# Altium PCB LimeSDR-X3_1v0.PcbDoc (part 19 of 25) (continued)
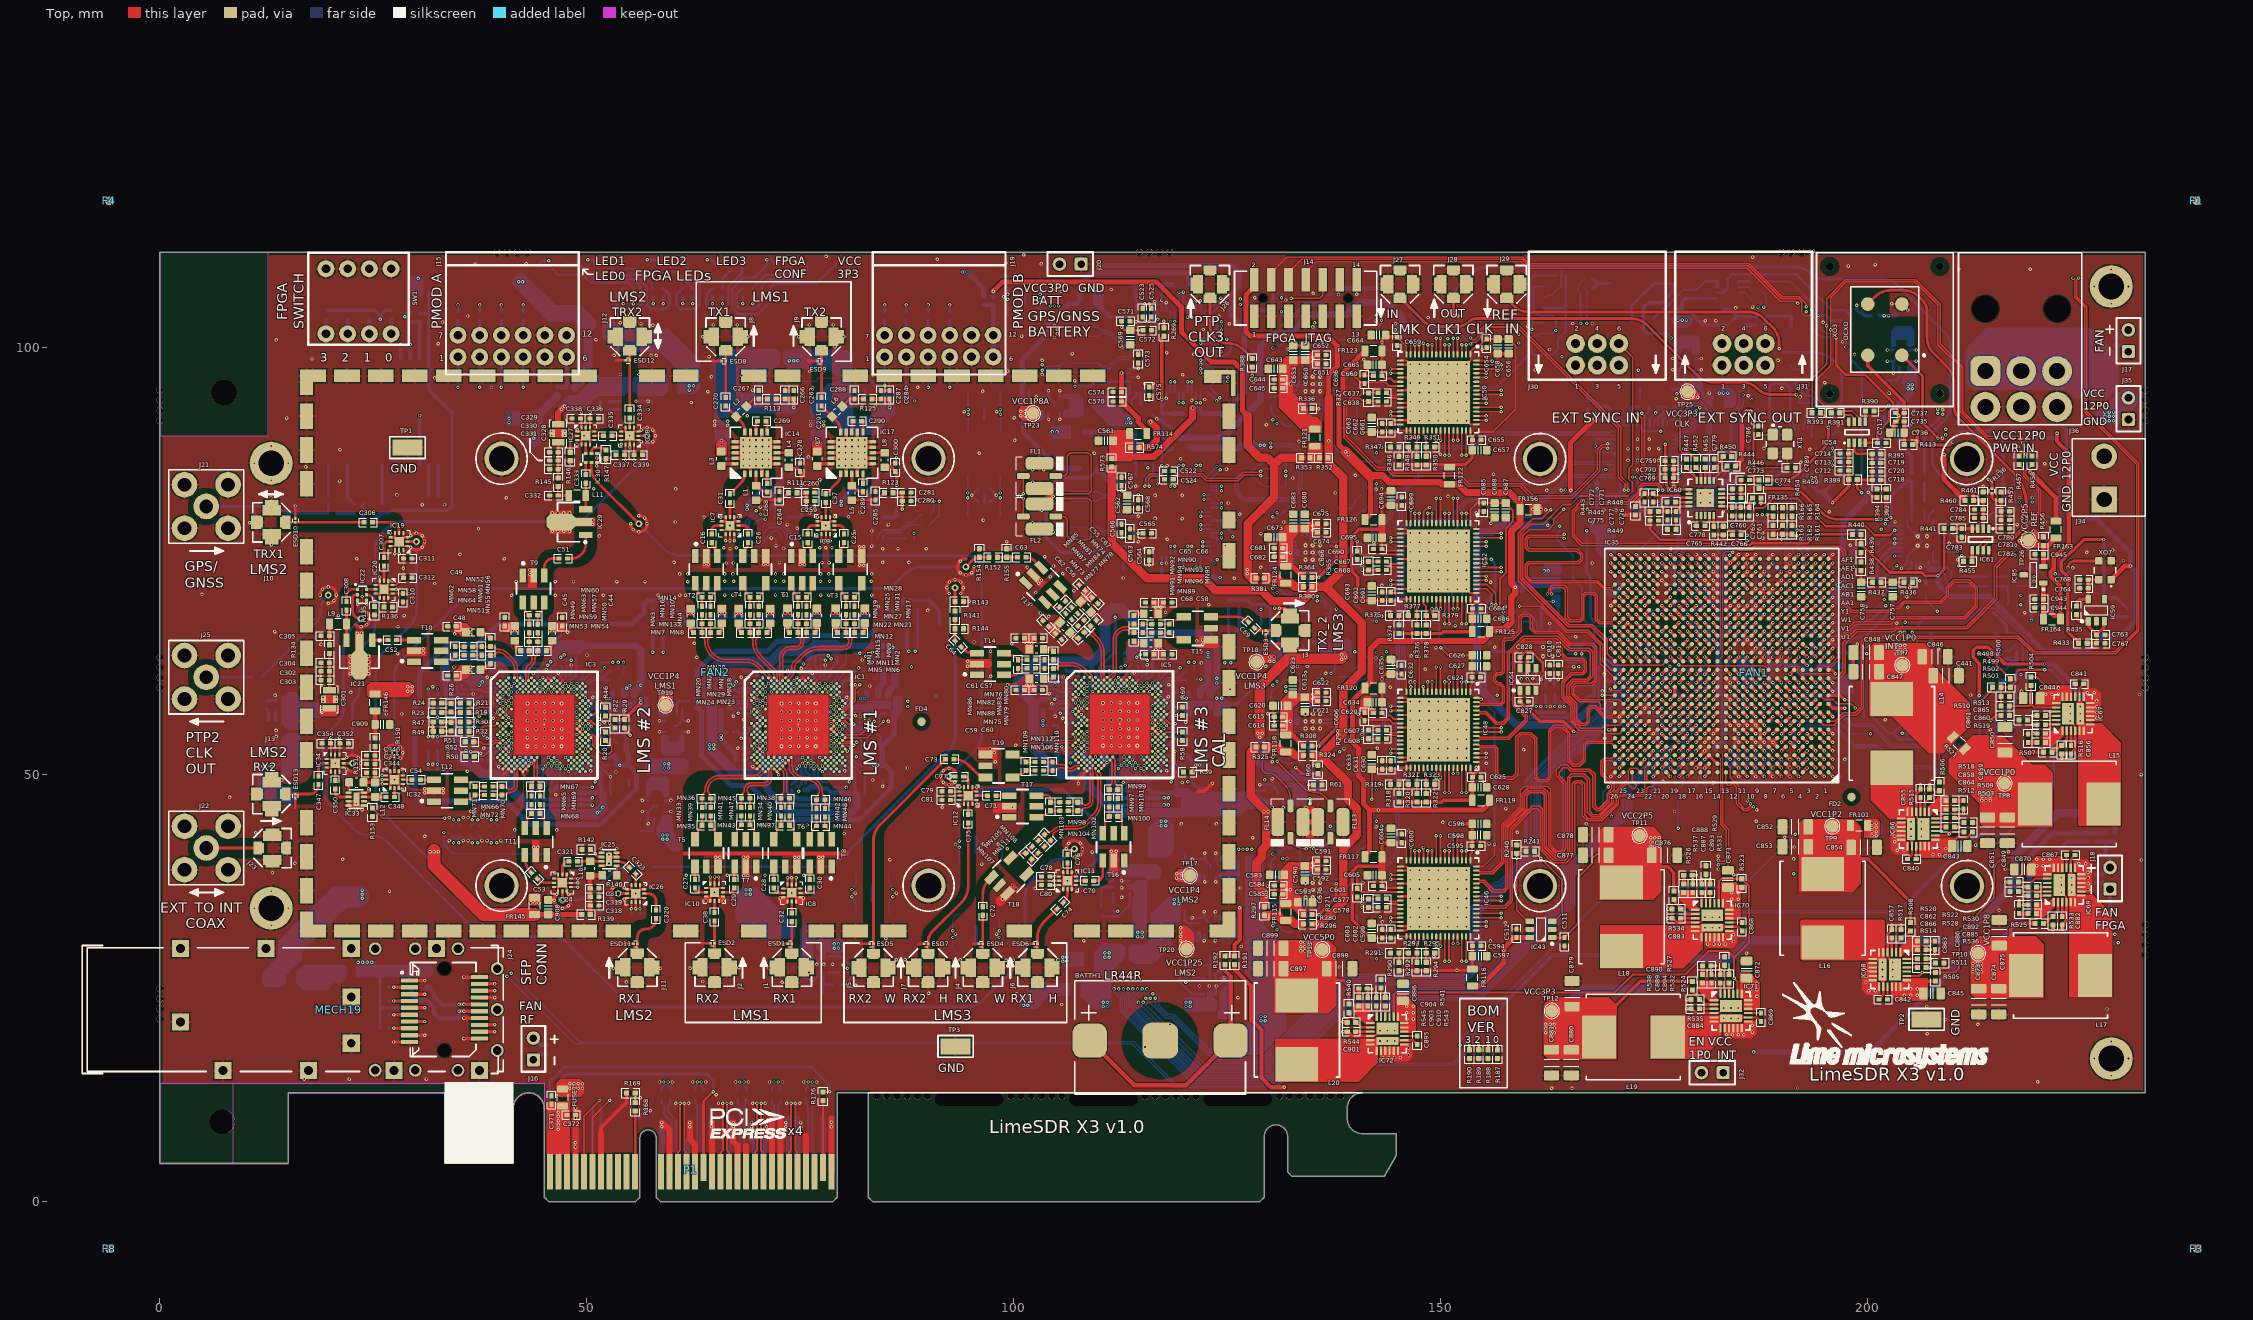
[diagram p0: Top view]
## Nets (pads, with @x,y where several pads share a name; then routed paths per layer and width w, separated by ;. In a path a pad name is that pad's centre, name@x,y a point inside that pad or via, vN(x,y) a via of type N, cw(c..) or ccw(c..) an arc to the next point about the centre after c; other vN are vias at no path point) (continued)
NetC858_1: C858.1 IC66.1 R518.2 | length 3.7
  Top w0.2: IC66.1@207.15,45.625 207.425,45.9 207.775,45.9 ; 208.293,47.325 208.293,46.418 207.775,45.9 ; C858.1@209.1,45.9 207.775,45.9
NetC859_1: C859.1 R518.1 | length 1
  Top w0.5: R518.1@210.15,46.975 C859.1@211.189,46.975
NetC860_1: C860.1 IC67.1 R519.2 | length 3.7
  Top w0.2: C860.1@220.825,54.85 222.15,54.85 ; 221.632,53.425 221.632,54.332 222.15,54.85 ; IC67.1@222.775,55.125 222.5,54.85 222.15,54.85
NetC861_1: C861.1 R519.1 | length 1
  Top w0.5: C861.1@218.736,53.775 R519.1@219.775,53.775
NetC862_1: C862.1 IC68.1 R520.2 | length 3.7
  Top w0.2: IC68.1@203.8,29.175 204.075,29.45 204.425,29.45 ; 204.943,30.875 204.943,29.968 204.425,29.45 ; C862.1@205.75,29.45 204.425,29.45
NetC863_1: C863.1 R520.1 | length 1
  Top w0.5: R520.1@206.8,30.525 C863.1@207.839,30.525
NetC864_1: C864.1 IC66.24 | length 1.7
  Top w0.309: IC66.24@207.55,44.875 C864.1@209.2,44.875
NetC865_1: C865.1 IC67.24 | length 1.7
  Top w0.309: C865.1@220.725,55.875 IC67.24@222.375,55.875
NetC866_1: C866.1 IC68.24 | length 1.7
  Top w0.309: IC68.24@204.2,28.425 C866.1@205.85,28.425
NetC867_1: C867.1 IC69.15 | length 1.5
  Top w0.25: IC69.15@223.25,39.075 C867.1@223.25,40.575
NetC867_2: C867.2 IC69.5 IC69.6 IC69.7 IC69.14 IC69.26 L17.1 | length 8
  Top w0.2: IC69.5@223.75,35.075 223.75,31.475 225.625,29.6
  Top w0.25: IC69.14@223.75,39.075 223.75,40.075 C867.2@224.25,40.575
  other v4: 223.85,36.225 223.85,37.075 223.85,37.925
NetC868_1: C868.1 IC70.15 | length 1.5
  Top w0.25: IC70.15@183.776,32.68 C868.1@185.276,32.679
NetC868_2: C868.2 IC70.5 IC70.6 IC70.7 IC70.14 IC70.26 L18.1 | length 8
  Top w0.2: 174.301,30.305 176.176,32.18 IC70.5@179.776,32.18
  Top w0.25: IC70.14@183.776,32.18 184.776,32.179 C868.2@185.276,31.679
  other v4: 180.926,32.079 181.776,32.079 182.626,32.079
NetC869_1: C869.1 IC71.15 | length 1.5
  Top w0.25: IC71.15@185.975,22.075 C869.1@187.475,22.075
NetC869_2: C869.2 IC71.5 IC71.6 IC71.7 IC71.14 IC71.26 L19.1 | length 8
  Top w0.2: L19.1@176.5,19.7 178.375,21.575 IC71.5@181.975,21.575
  Top w0.25: IC71.14@185.975,21.575 186.975,21.575 C869.2@187.475,21.075
  other v4: 183.125,21.475 183.975,21.475 184.825,21.475
NetC882_1: C882.1 IC69.3 | length 2.1
  Top w0.309: C882.1@222.75,33.375 IC69.3@222.75,35.475
NetC883_1: C883.1 IC70.3 | length 2.1
  Top w0.309: C883.1@178.076,33.179 IC70.3@180.176,33.179
NetC884_1: C884.1 IC71.3 | length 2.1
  Top w0.309: C884.1@180.275,22.575 IC71.3@182.375,22.575
NetC885_1: C885.1 IC69.1 R536.2 | length 3.7
  Top w0.2: C885.1@219.8,34.8 221.125,34.8 ; 220.607,33.375 220.607,34.282 221.125,34.8 ; IC69.1@221.75,35.075 221.475,34.8 221.125,34.8
NetC886_1: C886.1 R536.1 | length 1
  Top w0.5: C886.1@217.711,33.725 R536.1@218.75,33.725
NetC887_1: C887.1 IC70.1 R537.2 | length 3.7
  Top w0.2: 178.076,35.322 178.983,35.322 179.501,34.804 ; C887.1@179.501,36.13 179.501,34.804 ; IC70.1@179.776,34.179 179.501,34.454 179.501,34.804
NetC888_1: C888.1 R537.1 | length 1
  Top w0.5: R537.1@178.426,37.18 C888.1@178.426,38.219
NetC889_1: C889.1 IC71.1 R538.2 | length 3.7
  Top w0.2: 180.275,24.718 181.182,24.718 181.7,24.2 ; C889.1@181.7,25.525 181.7,24.2 ; IC71.1@181.975,23.575 181.7,23.85 181.7,24.2
NetC890_1: C890.1 R538.1 | length 1
  Top w0.5: R538.1@180.625,26.575 C890.1@180.625,27.614
NetC892_1: C892.1 IC69.24 | length 1.7
  Top w0.309: C892.1@219.7,35.825 IC69.24@221.35,35.825
NetC893_1: C893.1 IC70.24 | length 1.7
  Top w0.309: IC70.24@180.526,34.579 C893.1@180.526,36.23
NetC894_1: C894.1 IC71.24 | length 1.7
  Top w0.309: IC71.24@182.725,23.975 C894.1@182.725,25.625
NetC895_1: C895.1 IC72.15 | length 1.5
  Top w0.25: IC72.15@145.725,19.4 C895.1@147.225,19.4
NetC895_2: C895.2 IC72.5 IC72.6 IC72.7 IC72.14 IC72.26 L20.1 | length 8
  Top w0.2: 136.25,17.025 138.125,18.9 IC72.5@141.725,18.9
  Top w0.25: IC72.14@145.725,18.9 146.725,18.9 C895.2@147.225,18.4
  other v4: 142.875,18.8 143.725,18.8 144.575,18.8
NetC901_1: C901.1 IC72.3 | length 2.1
  Top w0.309: C901.1@140.025,19.9 IC72.3@142.125,19.9
NetC903_1: C903.1 IC72.1 R545.2 | length 3.7
  Top w0.2: 140.025,22.043 140.932,22.043 141.45,21.525 ; C903.1@141.45,22.85 141.45,21.525 ; IC72.1@141.725,20.9 141.45,21.175 141.45,21.525
NetC904_1: C904.1 R545.1 | length 1
  Top w0.5: R545.1@140.375,23.9 C904.1@140.375,24.939
NetC905_1: C905.1 C906.1 C907.1 FUSE2.2 J36.1 J36.2 J36.3
NetC910_2: C910.2 IC72.24 | length 1.7
  Top w0.309: IC72.24@142.475,21.3 C910.2@142.475,22.95
NetC916_2: C916.2 FR147.1 IC73.3 IC73.5 | length 6.2
  Bottom w0.3: IC73.3@123.6,26.2 123.6,26.675 123.9,26.975 124.7,26.975 125.05,26.625 125.05,25.35 124.25,24.55 IC73.5@124.25,24.3 ; FR147.1@124.625,21.825 124.625,22.95 C916.2@124.775,23.1
NetC918_2: C918.2 FR148.1 IC74.3 IC74.5 | length 6.2
  Bottom w0.3: IC74.3@111.65,37.487 111.175,37.487 110.875,37.787 110.875,38.587 111.225,38.937 112.5,38.937 113.3,38.137 IC74.5@113.55,38.137 ; C918.2@114.75,38.662 114.9,38.512 FR148.1@116.025,38.512
NetC919_2: C919.2 FR149.1 IC75.3 IC75.5 | length 6.2
  Bottom w0.3: C919.2@75.825,29.925 75.975,30.075 FR149.1@75.975,31.2 ; IC75.5@76.35,28.725 76.35,28.475 75.55,27.675 75.55,26.4 75.9,26.05 76.7,26.05 77,26.35 IC75.3@77,26.825
NetC920_1: C920.1 IC73.2 R549.1 R552.2 | length 3.6
  Bottom w0.3: R549.1@121.9,27.65 122.925,27.65 C920.1@122.95,27.675 ; IC73.2@122.95,26.2 C920.1@122.95,27.65 ; C920.1@122.975,27.65 R552.2@122.975,28.7
NetC921_1: C921.1 IC74.2 R550.1 R553.2 | length 3.8
  Bottom w0.3: C921.1@110.175,36.837 110.2,36.812 R553.2@110.2,35.787 R550.1@110.2,34.537 ; C921.1@110.2,36.837 IC74.2@111.65,36.837
NetC922_1: C922.1 IC75.2 R551.1 R554.2 | length 3.6
  Bottom w0.3: R554.2@77.625,24.325 C922.1@77.625,25.375 ; C922.1@77.65,25.35 77.675,25.375 R551.1@78.7,25.375 ; C922.1@77.65,25.375 IC75.2@77.65,26.825
NetC923_2: C923.2 FR150.2 IC76.5 IC76.8 | length 3
  Bottom w0.3: IC76.5@124.35,40.1 125.266,40.1 FR150.2@125.655,39.711 C923.2@125.655,38.136
NetC925_2: C925.2 FR151.2 IC77.5 IC77.8 | length 3
  Bottom w0.3: IC77.5@135.22,65.489 136.136,65.489 FR151.2@136.525,65.1 C925.2@136.525,63.525
NetC927_2: C927.2 FR152.2 IC78.5 IC78.8 | length 3
  Bottom w0.3: C927.2@59.191,52.988 FR152.2@60.766,52.988 61.155,53.376 IC78.5@61.155,54.292
NetC929_2: C929.2 FR153.2 IC79.5 IC79.8 | length 3
  Bottom w0.3: IC79.5@124.316,33.225 125.232,33.225 FR153.2@125.621,32.836 C929.2@125.621,31.261
NetC931_2: C931.2 FR154.2 IC80.5 IC80.8 | length 3
  Bottom w0.3: IC80.5@132.25,48.8 133.166,48.8 FR154.2@133.555,48.411 C931.2@133.555,46.836
NetC933_2: C933.2 FR155.2 IC81.5 IC81.8 | length 3
  Bottom w0.3: IC81.5@57.175,47.7 57.175,48.616 FR155.2@57.564,49.005 C933.2@59.139,49.005
NetC937_2: C937.2 FR159.2 IC82.5 IC82.8 | length 3
  Bottom w0.3: IC82.5@106.07,94.251 106.986,94.251 FR159.2@107.375,93.862 C937.2@107.375,92.287
NetC939_2: C939.2 FR160.2 IC83.5 IC83.8 | length 3
  Bottom w0.3: IC83.5@202.986,100.445 202.986,101.361 FR160.2@203.375,101.75 C939.2@204.95,101.75
NetC941_2: C941.2 FR162.2 IC84.5 IC84.8 | length 3
  Bottom w0.3: IC84.5@177.836,99.445 177.836,100.361 FR162.2@178.225,100.75 C941.2@179.8,100.75
NetC943_2: C943.2 C944.2 FR164.2 IC85.1 | length 4.1
  Top w0.6: FR164.2@220.55,68.336 220.55,69.523 220.55,70.523 IC85.1@220.55,72.45
NetFR115_1: FR115.1 R296.1 R297.1 | length 4.7
  Top w1: R297.1@129.45,33.525 130.875,33.525 131.475,32.925 FR115.1@131.825,32.925 132.475,32.925 132.875,32.525 R296.1@133.775,32.525
NetFR118_1: FR118.1 R324.1 R325.1 | length 4.7
  Top w1: R325.1@129.45,53.25 130.875,53.25 131.475,52.65 FR118.1@131.825,52.65 132.475,52.65 132.875,52.25 R324.1@133.775,52.25
NetFR121_1: FR121.1 R352.1 R353.1
NetFR124_1: FR124.1 R380.1 R381.1 | length 4.7
  Top w1: R381.1@129.45,73 130.75,73 131.35,72.4 FR124.1@131.825,72.4 132.475,72.4 132.875,72 R380.1@133.775,72
NetFR132_2: FR132.2 R413.1 R427.2 R428.1 R433.1 | length 73.3
  Top w0.4: R413.1@205.25,88.65 205.775,89.175 ; v1(205.775,90.275) 205.775,89.175 ; v1(209.95,88.95) 209.6,88.6 206.35,88.6 205.775,89.175 ; R433.1@224.727,65.377 223.375,66.729 223.375,73.15 222.625,73.9 222.625,74.9 225.251,77.526 v1(227.626,77.526)
  L3 w0.4: v1(209.95,88.95) 211.725,90.725 222.625,90.725 224.25,89.1 224.25,80.902 v1(227.626,77.526)
  Bottom w0.4: FR132.2@205.775,88.987 v1(205.775,90.275) ; v1(209.95,88.95) 209.95,89.4 210.775,90.225 214.2,90.225 215.325,91.35 216.2,91.35 216.825,90.725 219.55,90.725 219.825,91 222.6,91 223.225,90.375 223.225,87.649 R428.1@222.436,86.86 ; R427.2@227.626,76.046 v1(227.626,77.526)
NetFR134_1: FR134.1 R429.2 R431.1 | length 4.9
  Bottom w0.6: R429.2@197.05,78.475 198.675,78.475 FR134.1@199.05,78.1
  Bottom w0.8: R431.1@197.05,75.725 R429.2@197.05,78.45
NetFR138_1: FR138.1 R476.2 R477.1
NetFR141_1: FR141.1 R485.2 R486.1
NetIC1_D28: IC1.D28 R9.1 | length 2.9
  Bottom w0.15: v2(78.242,60.335) 78.295,60.282 78.766,60.282 78.991,60.507 78.991,60.695 R9.1@80.321,62.025
NetIC1_F18: IC1.F18 R11.1 | length 2.2
  Bottom w0.25: R11.1@74.342,57.767 74.291,57.818 74.291,58.551 74.674,58.934 74.674,59.43 v2(74.912,59.669)
NetIC1_F28: IC1.F28 R8.1 | length 5.4
  Bottom w0.15: v2(78.242,59.669) 78.592,60.019 78.956,60.019 79.243,60.306 80.281,61.344 81.584,61.344 R8.1@82.522,62.282
NetIC1_F30: IC1.F30 R7.1 | length 4.2
  Bottom w0.2: v2(78.908,59.669) 78.995,59.669 80.37,61.044 82.406,61.044 R7.1@82.531,61.169
NetIC3_AA5: IC3.AA5 R42.1 | length 12.5
  L4 w0.1: v1@39.382,44.768 cw(c39.762,45.147) 39.225,45.147 39.225,48.573 cw(c41.705,48.573) 39.951,50.326 40.931,51.306 ccw(c39.135,53.102) 41.675,53.102 41.675,54.207 ccw(c41.209,54.207) 41.209,54.674 v2(40.833,54.674)
  Bottom w0.2: v1(39.425,44.725) 39.263,44.562 39.263,44.287 R42.1@39.675,43.875
NetIC3_AA33: IC3.AA33 R20.2 | length 5.4
  Top w0.15: IC3.AA33@50.157,54.674 50.157,54.691 50.635,54.691 50.947,54.379 50.947,53.605 51.121,53.432 51.469,53.432 51.641,53.604 51.641,54.432 51.316,54.757 51.316,55.182 51.516,55.382 51.791,55.382 R20.2@52.191,54.982
NetIC3_AB2: IC3.AB2 R39.1 | length 14.6
  L6 w0.1: v1(35,44.725) cw(c35.513,45.238) 34.787,45.238 34.787,45.45 cw(c36.387,45.45) 35.256,46.581 37.931,49.256 ccw(c36.135,51.052) 38.675,51.052 38.675,51.069 cw(c38.931,51.069) 38.931,51.325 39.7,51.325 ccw(c39.7,51.55) 39.925,51.55 39.925,51.7 ccw(c39.7,51.7) 39.7,51.925 39,51.925 cw(c39,52.25) 38.675,52.25 cw(c40.924,52.25) 39.334,53.84 v2(39.834,54.341)
  Bottom w0.2: v1(35,44.725) 34.837,44.562 34.837,44.288 R39.1@35.25,43.875
NetIC3_AB4: IC3.AB4 R40.1 | length 12.7
  L4 w0.1: v1@38.843,44.768 ccw(c38.463,45.147) 39,45.147 39,52.775 ccw(c38.65,52.775) 38.65,53.125 cw(c38.65,53.45) 38.325,53.45 cw(c38.675,53.45) 38.675,53.8 39.475,53.8 ccw(c39.475,54.97) 40.302,54.143 v2(40.5,54.341)
  Bottom w0.2: R40.1@38.55,43.875 38.963,44.287 38.963,44.562 v1(38.8,44.725)
NetIC3_AB6: IC3.AB6 R54.1 | length 12.9
  L6 w0.1: v1(37.2,44.725) cw(c37.713,45.238) 36.987,45.238 36.988,45.591 cw(c37.884,45.591) 37.25,46.225 40.185,49.16 ccw(c38.747,50.598) 40.78,50.598 cw(c43.134,50.598) 41.47,52.262 41.591,52.384 ccw(c40.907,53.068) 41.875,53.068 41.875,53.632 ccw(c41.166,53.632) v2(41.166,54.341)
  Bottom w0.2: v1(37.2,44.725) 37.038,44.562 37.038,44.287 R54.1@37.45,43.875
NetIC3_AB34: IC3.AB34 R20.1 | length 5.3
  Top w0.15: IC3.AB34@50.49,54.341 50.697,54.134 50.697,53.428 51.693,52.432 52.607,52.432 52.891,52.716 52.891,53.282 R20.1@52.191,53.982
NetIC3_AC3: IC3.AC3 R52.1 | length 3.8
  Top w0.1: 39.475,54.008 IC3.AC3@40.167,54.008
  Top w0.15: R52.1@36.75,53.85 37.525,53.85 37.85,53.525 38.6,53.525 39.083,54.008 39.475,54.008
NetIC3_AC5: IC3.AC5 R53.1 | length 12.9
  L6 w0.1: v1(36.575,44.725) ccw(c36.062,45.238) 36.787,45.238 36.788,45.591 cw(c37.884,45.591) 37.109,46.366 40.027,49.284 ccw(c38.713,50.598) 40.571,50.598 cw(c43.1,50.598) 41.311,52.386 41.45,52.525 ccw(c40.907,53.068) 41.675,53.068 41.675,53.63 ccw(c41.305,53.63) 41.305,54 40.841,54 v2(40.833,54.008)
  Bottom w0.2: R53.1@36.325,43.875 36.738,44.287 36.738,44.562 v1(36.575,44.725)
NetIC3_AD2: IC3.AD2 R50.1 | length 3.9
  Top w0.15: R50.1@36.8,52.125 37.9,52.125 38.75,52.975 38.75,53.25 39.225,53.725 39.646,53.725 39.658,53.713 39.796,53.713 IC3.AD2@39.834,53.675
NetIC3_D28: IC3.D28 R45.1 | length 2.9
  Bottom w0.15: v2(48.492,60.335) 48.545,60.282 49.016,60.282 49.241,60.507 49.241,60.695 R45.1@50.571,62.025
NetIC3_F18: IC3.F18 R55.1 | length 2.2
  Bottom w0.25: R55.1@44.592,57.767 44.541,57.818 44.541,58.551 44.924,58.934 44.924,59.43 v2(45.162,59.669)
NetIC3_F28: IC3.F28 R44.1 | length 5.4
  Bottom w0.15: v2(48.492,59.669) 48.842,60.019 49.206,60.019 49.493,60.306 50.531,61.344 51.834,61.344 R44.1@52.772,62.282
NetIC3_F30: IC3.F30 R43.1 | length 4.2
  Bottom w0.2: v2(49.158,59.669) 49.245,59.669 50.62,61.044 52.656,61.044 R43.1@52.781,61.169
NetIC3_P2: IC3.P2 R21.1 | length 4.2
  Top w0.1: 38.827,57.552 39.366,57.013 39.826,57.013 IC3.P2@39.834,57.005
  Top w0.15: R21.1@36.2,58.2 36.65,57.75 37.25,57.75 37.375,57.875 38.504,57.875 38.827,57.552
NetIC3_P34: IC3.P34 R46.1 | length 3.7
  Top w0.15: IC3.P34@50.49,57.005 50.849,57.005 51.001,57.157 51.001,58.546 51.187,58.732 51.551,58.732 51.716,58.566 51.716,58.332 R46.1@52.166,57.882
NetIC3_R3: IC3.R3 R19.1 | length 4.6
  Top w0.1: 38.613,57.338 39.018,56.932 39.161,56.932 39.421,56.672 IC3.R3@40.167,56.672
  Top w0.15: R19.1@36.2,57.1 37.1,57.1 37.6,57.6 38.35,57.6 38.613,57.338
NetIC3_R5: IC3.R5 R18.1 | length 13
  L4 w0.1: v1(31.4,60.025) 31.425,60.025 cw(c31.425,59.6) 31.85,59.6 31.85,59.229 ccw(c33.268,59.229) 32.265,58.227 32.512,57.98 cw(c32.029,57.498) 32.712,57.498 ccw(c33.418,57.498) 32.919,56.999 32.941,56.976 ccw(c33.668,57.703) 33.668,56.675 34.45,56.675 cw(c34.45,55.287) 35.432,56.268 ccw(c36.047,56.884) 36.047,56.014 40.605,56.014 ccw(c40.605,56.25) 40.841,56.25 v2@40.841,56.672
  Bottom w0.3: R18.1@31.4,59.35 v1(31.4,60.025)
  other v2: 40.833,56.672
NetIC3_R29: IC3.R29 R46.2 | length 3.7
  Top w0.2: v1(51.466,56.482) 51.766,56.482 R46.2@52.166,56.882
  L3 w0.1: v2(48.825,56.672) 49.165,56.332 49.831,56.332 49.981,56.482 v1(51.466,56.482)
NetIC3_T4: IC3.T4 R15.1 | length 12.9
  L4 w0.1: v1@32.475,60.025 ccw(c32.475,59.6) 32.05,59.6 32.05,59.275 ccw(c33.378,59.275) 32.439,58.336 32.676,58.099 cw(c32.074,57.498) 32.925,57.498 ccw(c33.463,57.498) 33.082,57.118 ccw(c33.668,57.703) 33.668,56.875 34.481,56.875 cw(c34.481,55.318) 35.582,56.419 ccw(c36.078,56.915) 36.078,56.214 38.138,56.214 ccw(c38.138,56.576) 38.5,56.576 38.5,56.675 cw(c38.9,56.675) 38.9,57.075 39.125,57.075 cw(c39.125,56.725) 39.475,56.725 39.475,56.539 ccw(c39.8,56.539) 39.8,56.214 40.198,56.214 ccw(c40.198,56.64) v2(40.5,56.339)
  Bottom w0.3: R15.1@32.5,59.35 v1(32.5,60.025)
NetIC3_T6: IC3.T6 R28.1 | length 10.9
  L4 w0.1: v1(32.5,54.425) cw(c33.6,54.425) 33.6,55.525 33.665,55.525 cw(c33.665,54.415) 34.45,55.2 ccw(c35.536,56.286) 35.536,54.75 36.851,54.75 ccw(c36.851,55.774) 37.575,55.05 cw(c37.877,54.748) 37.877,55.175 40.002,55.175 ccw(c40.002,56.339) v2(41.166,56.339)
  Bottom w0.3: R28.1@32.5,53.85 v1(32.5,54.425)
NetIC3_U1: IC3.U1 R32.1 | length 3.7
  Top w0.15: R32.1@36.2,55.075 37.325,55.075 37.975,55.725 39.22,55.725 IC3.U1@39.501,56.006
NetIC3_U3: IC3.U3 R30.1 | length 4.3
  Top w0.1: 38.6,56.075 39.05,56.075 39.4,56.425 39.748,56.425 IC3.U3@40.167,56.006
  Top w0.15: R30.1@36.2,56.175 37.975,56.175 38.075,56.075 38.6,56.075
NetIC3_U31: IC3.U31 R48.2 | length 1.9
  Bottom w0.1: R48.2@49.416,57.457 49.166,57.207 49.166,56.553 49.041,56.428 49.041,56.249 49.285,56.006 v2(49.491,56.006)
NetIC3_V2: IC3.V2 R25.1 | length 11
  L4 w0.1: v1(31.4,54.425) 31.4,55.55 cw(c31.875,55.55) 31.875,56.025 32.663,56.025 cw(c32.663,55.513) 33.025,55.875 ccw(c33.387,56.237) 33.387,55.725 33.754,55.725 cw(c33.754,54.629) 34.529,55.404 ccw(c35.625,56.5) 35.625,54.95 36.827,54.95 ccw(c36.827,55.798) 37.427,55.198 cw(c37.853,54.772) 37.853,55.375 39.536,55.375 ccw(c39.536,55.673) v2(39.834,55.673)
  Bottom w0.3: R25.1@31.4,53.85 v1(31.4,54.425)
NetIC3_V32: IC3.V32 R22.1 | length 4.7
  Top w0.2: v1@52.717,56.031 R22.1@53.291,55.457
  L4 w0.1: v2(49.824,55.673) 49.832,55.681 49.832,56.14 50.022,56.331 50.369,56.331 51.131,55.569 52.179,55.569 v1(52.641,56.031)
NetIC3_Y6: IC3.Y6 R36.1 | length 14.5
  L6 w0.1: v1(34.375,44.725) ccw(c33.862,45.238) 34.587,45.238 34.588,45.45 cw(c36.428,45.45) 35.127,46.752 37.803,49.428 ccw(c36.182,51.05) 38.475,51.05 38.475,52.483 cw(c40.93,52.483) 39.194,54.219 39.409,54.434 cw(c40.792,53.051) 40.792,55.007 v2(41.166,55.007)
  Bottom w0.2: R36.1@34.125,43.875 34.538,44.288 34.538,44.562 v1(34.375,44.725)
NetIC5_AA33: IC5.AA33 R58.2 | length 2.3
  Top w0.15: IC5.AA33@117.551,54.73 IC5.AA33@117.551,54.747
  Top w0.2: IC5.AA33@117.597,54.69 117.905,54.998 R58.2@119.731,54.998
NetIC5_AB34: IC5.AB34 R58.1 | length 1.9
  Top w0.2: IC5.AB34@117.93,54.357 118.697,54.357 119.056,53.998 R58.1@119.731,53.998
NetIC5_D28: IC5.D28 R68.1 | length 2.9
  Bottom w0.15: v2@115.932,60.351 115.934,60.35 116.508,60.35 116.681,60.523 116.681,60.711 R68.1@118.011,62.041
  other v2: 115.886,60.391
NetIC5_F18: IC5.F18 R71.1 | length 2.2
  Bottom w0.25: R71.1@112.033,57.783 111.981,57.835 111.981,58.568 112.364,58.95 112.364,59.533 v2(112.556,59.725)
NetIC5_F28: IC5.F28 R67.1 | length 5.4
  Bottom w0.15: v2(115.886,59.725) 116.261,60.1 116.711,60.1 116.934,60.323 117.971,61.36 119.274,61.36 R67.1@120.212,62.299
NetIC5_F30: IC5.F30 R66.1 | length 4.2
  Bottom w0.2: v2@116.598,59.685 116.685,59.685 118.06,61.06 120.096,61.06 R66.1@120.221,61.185
  other v2: 116.552,59.725
NetIC5_P34: IC5.P34 R69.1 | length 2.2
  Top w0.2: IC5.P34@117.93,57.021 118.834,57.925 R69.1@119.725,57.925
NetIC5_R29: IC5.R29 R69.2 | length 3.9
  Top w0.2: v1(119,56.925) R69.2@119.725,56.925
  L3 w0.1: v2@116.265,56.688 116.877,57.3 118.625,57.3 v1(119,56.925)
  other v2: 116.219,56.728
NetIC5_U31: IC5.U31 R70.2 | length 1.7
  Bottom w0.1: R70.2@116.85,57.3 116.56,57.3 116.56,56.394 v2@116.931,56.022
  Bottom w0.15: v2@116.931,56.022 v2@116.948,56.039
  other v2: 116.885,56.062
NetIC5_V32: IC5.V32 R59.1 | length 10.1
  Top w0.2: v1(118.85,52.725) 118.85,51.325 R59.1@119.875,50.3
  L4 w0.1: v2(117.218,55.729) 116.529,55.729 115.75,54.95 115.75,53.233 116.058,52.925 116.462,52.925 116.962,53.425 117.625,53.425 118.325,52.725 v1(118.85,52.725)
NetIC13_5: IC13.5 R112.2 | length 1.3
  Bottom w0.4: R112.2@70.175,96.975 70.225,97.025 IC13.5@71.475,97.025
NetIC14_8: IC14.8 L4.1 | length 1.4
  Top w0.325: IC14.8@72.247,87.68 L4.1@73.647,87.68
NetIC14_20: IC14.20 L3.1 | length 1.7
  Top w0.4: L3.1@65.743,86.13 65.993,86.38 IC14.20@67.347,86.38
NetIC15_5: IC15.5 R119.1 | length 4.5
  Bottom w0.2: R119.1@70.6,79.1 70.825,79.325 72.8,79.325 74.083,78.042 IC15.5@74.083,77.644
NetIC15_6: IC15.6 R120.1 | length 3.9
  Bottom w0.2: R120.1@70.6,78.2 71.325,78.925 72.55,78.925 73.433,78.042 IC15.6@73.433,77.644
NetIC15_7: IC15.7 R121.1 | length 3.5
  Bottom w0.2: R121.1@70.6,77.1 70.6,77.275 71.225,77.9 71.225,77.916 ; 71.217,77.908 71.225,77.916 ; IC15.7@72.783,77.644 72.683,77.744 72.683,78.117 72.3,78.5 71.809,78.5 71.225,77.916
NetIC16_5: IC16.5 R124.2 | length 1.3
  Bottom w0.4: IC16.5@81.65,95.1 81.65,93.85 R124.2@81.7,93.8
NetIC17_8: IC17.8 L8.1 | length 1.4
  Top w0.325: IC17.8@83.473,87.68 L8.1@84.874,87.68
NetIC17_20: IC17.20 L7.1 | length 1.7
  Top w0.4: L7.1@76.969,86.13 77.219,86.38 IC17.20@78.574,86.38
NetIC18_5: IC18.5 R131.1 | length 2
  Bottom w0.2: IC18.5@85.31,77.65 R131.1@87.3,77.65
NetIC18_6: IC18.6 R132.1 | length 5.3
  Bottom w0.2: IC18.6@84.66,77.644 84.66,77.985 85.025,78.35 86.824,78.35 87.724,79.25 R132.1@89.125,79.25
NetIC18_7: IC18.7 R133.1 | length 6.5
  Bottom w0.2: IC18.7@84.01,77.644 84.01,77.985 84.675,78.65 86.7,78.65 87.6,79.55 88.178,79.55 R133.1@89.125,80.497
NetIC20_5: IC20.5 IC22.6 | length 1.1
  Top w0.325: IC22.6@24.204,71.702 IC20.5@25.229,71.702 IC20.5@25.354,71.702
NetIC22_5: IC22.5 R135.1 | length 1.9
  Top w0.325: IC22.5@24.204,71.052 cw(c24.204,70.152) 25.104,70.152 R135.1@25.104,69.677
NetIC23_5: IC23.5 R138.2 | length 1.3
  Bottom w0.4: R138.2@13.573,57.602 13.573,56.414 IC23.5@13.625,56.362
NetIC25_1: IC25.1 R140.1 | length 1.2
  Top w0.3: R140.1@53.477,38.201 IC25.1@53.477,39.351
NetIC27_5: IC27.5 IC30.6 | length 1.2
  Top w0.325: IC30.6@49.861,87.594 IC27.5@49.861,88.669 IC27.5@49.861,88.794
NetIC30_5: IC30.5 R147.1 | length 2.2
  Top w0.325: IC30.5@50.511,87.594 50.511,87.719 cw(c51.061,87.719) 51.061,88.269 51.547,88.269 cw(c51.547,87.331) R147.1@52.211,87.995
NetIC31_5: IC31.5 R149.2 | length 1.3
  Bottom w0.4: R149.2@52.61,93.65 53.798,93.65 IC31.5@53.85,93.702
NetIC33_1: IC33.1 R151.1 | length 1.2
  Top w0.3: IC33.1@22.091,47.882 22.091,49.032 cw(c22.141,49.032) R151.1@22.141,49.082
NetIC35_A15: IC35.A15 R159.1 | length 1.9
  Top w0.4: v1(180.875,49.775) IC35.A15@181.375,50.275
  Bottom w0.4: R159.1@180.875,48.55 v1(180.875,49.775)
NetIC35_AF15: IC35.AF15 R156.1 | length 1.4
  Top w0.4: v1(180.875,75.775) IC35.AF15@181.375,75.275
  Bottom w0.4: R156.1@180.375,75.275 v1(180.875,75.775)
NetIC35_H13: IC35.H13 R157.1 | length 38.1
  Top w0.4: IC35.H13@183.375,57.275 v1(183.875,56.775)
  Bottom w0.15: v1(183.875,56.775) 184.325,56.325 186.125,56.325 186.425,56.625 186.425,56.931 186.794,57.3 189.95,57.3 190.312,57.663 190.312,57.963 190.738,58.388 191.037,58.388 191.4,58.75 191.4,59.95 191.725,60.275 195.025,60.275 195.15,60.4 196.252,60.4 196.755,60.902 197.742,60.902 198.35,61.51 198.35,63.6 199.725,64.975 200.825,64.975 203,67.15 205.55,67.15 206.55,68.15 212.775,68.15 R157.1@213.6,68.975
NetIC35_N12: IC35.N12 R158.2 R160.2 | length 25.4
  Top w0.4: IC35.N12@184.375,62.275 v1(184.875,61.775)
  L4 w0.1: v1(184.875,61.775) 185.925,62.825 191.35,62.825 191.825,62.35 193.25,62.35 193.9,63 198.7,63 v1(199.85,64.15)
  Bottom w0.3: R158.2@199.525,56.725 R160.2@199.525,57.825 199.525,60.89 198.85,61.565 198.85,63.458 199.542,64.15 v1(199.85,64.15)
NetIC42_1: IC42.1 R245.2 | length 3.6
  Bottom w0.4: R245.2@32.6,82.625 IC42.1@32.6,86.225
NetIC42_2: IC42.2 R242.2 | length 3.6
  Bottom w0.4: R242.2@31.5,82.625 IC42.2@31.5,86.225
NetIC44_17: IC44.17 R266.2 | length 1.7
  Bottom w0.3: R266.2@113.777,74.027 113.777,74.577 114.328,75.128 IC44.17@114.328,75.503
NetIC44_18: IC44.18 R266.1 | length 2.6
  Bottom w0.3: R266.1@112.777,74.027 112.777,74.752 113.578,75.553 IC44.18@113.578,76.253
NetIC44_39: IC44.39 R268.1 | length 1.4
  Bottom w0.3: IC44.39@116.328,85.003 R268.1@116.328,86.401
NetIC45_17: IC45.17 R267.2 | length 1.7
  Bottom w0.3: R267.2@113.777,93.302 113.777,93.852 114.328,94.403 IC45.17@114.328,94.778
NetIC45_18: IC45.18 R267.1 | length 2.6
  Bottom w0.3: R267.1@112.777,93.302 112.777,94.027 113.578,94.828 IC45.18@113.578,95.528
NetIC45_39: IC45.39 R269.1 | length 3.4
  Top w0.4: R269.1@117.55,102.325 v1(117.55,103.075)
  Bottom w0.325: IC45.39@116.328,104.278 116.328,103.097 116.675,102.75 117.225,102.75 v1(117.55,103.075)
NetIC47_1: IC47.1 R270.1 R277.2 | length 3
  Bottom w0.254: R270.1@130.075,35 R277.2@131.175,35 131.709,35 ccw(c131.709,35.341) 131.95,35.1 cw(c132.312,34.738) 132.312,35.25 IC47.1@133,35.25
NetIC47_2: IC47.2 R277.1 | length 1.9
  Bottom w0.254: R277.1@131.175,36 131.698,36 cw(c131.698,35.573) 132,35.875 ccw(c132.302,36.177) 132.302,35.75 IC47.2@133,35.75
NetIC47_5: IC47.5 R282.1 | length 1.9
  Bottom w0.254: R282.1@131.175,37 131.698,37 ccw(c131.698,37.427) 132,37.125 cw(c132.302,36.823) 132.302,37.25 IC47.5@133,37.25
NetIC47_6: IC47.6 R282.2 R286.1 | length 3
  Bottom w0.254: R286.1@130.075,38 R282.2@131.175,38 131.709,38 cw(c131.709,37.659) 131.95,37.9 ccw(c132.312,38.262) 132.312,37.75 ; 132.312,37.75 IC47.6@133,37.75
NetIC47_7: IC47.7 R281.1 R287.2 | length 3
  Bottom w0.254: R281.1@133.5,41.425 R287.2@133.5,40.325 133.5,39.802 ccw(c133.927,39.802) 133.625,39.5 cw(c133.323,39.198) 133.75,39.198 IC47.7@133.75,38.5
NetIC47_8: IC47.8 R287.1 | length 1.9
  Bottom w0.254: IC47.8@134.25,38.5 134.25,39.188 cw(c134.762,39.188) 134.4,39.55 ccw(c134.159,39.791) 134.5,39.791 R287.1@134.5,40.325
NetIC47_23: IC47.23 R272.1 | length 1.9
  Bottom w0.254: IC47.23@134.25,34.5 134.25,33.812 ccw(c134.762,33.812) 134.4,33.45 cw(c134.159,33.209) 134.5,33.209 R272.1@134.5,32.675
NetIC47_24: IC47.24 R272.2 R276.1 | length 3
  Bottom w0.254: R276.1@133.5,31.575 R272.2@133.5,32.675 133.5,33.198 cw(c133.927,33.198) 133.625,33.5 ccw(c133.323,33.802) 133.75,33.802 IC47.24@133.75,34.5
NetIC49_1: IC49.1 R298.1 R305.2 | length 3
  Bottom w0.254: R298.1@130.075,54.75 R305.2@131.175,54.75 131.709,54.75 ccw(c131.709,55.091) 131.95,54.85 cw(c132.312,54.488) 132.312,55 IC49.1@133,55
NetIC49_2: IC49.2 R305.1 | length 1.9
  Bottom w0.254: R305.1@131.175,55.75 131.698,55.75 cw(c131.698,55.323) 132,55.625 ccw(c132.302,55.927) 132.302,55.5 IC49.2@133,55.5
NetIC49_5: IC49.5 R310.1 | length 1.9
  Bottom w0.254: R310.1@131.175,56.75 131.698,56.75 ccw(c131.698,57.177) 132,56.875 cw(c132.302,56.573) 132.302,57 IC49.5@133,57
NetIC49_6: IC49.6 R310.2 R314.1 | length 3
  Bottom w0.254: R314.1@130.075,57.75 R310.2@131.175,57.75 131.709,57.75 cw(c131.709,57.409) 131.95,57.65 ccw(c132.312,58.012) 132.312,57.5 IC49.6@133,57.5
NetIC49_7: IC49.7 R309.1 R315.2 | length 3
  Bottom w0.254: R315.2@133.5,60 R309.1@133.5,61.1 ; R315.2@133.5,60.075 133.5,59.552 ccw(c133.927,59.552) 133.625,59.25 cw(c133.323,58.948) 133.75,58.948 IC49.7@133.75,58.25
NetIC49_8: IC49.8 R315.1 | length 1.9
  Bottom w0.254: IC49.8@134.25,58.25 134.25,58.938 cw(c134.762,58.938) 134.4,59.3 ccw(c134.159,59.541) 134.5,59.541 R315.1@134.5,60.075
NetIC49_23: IC49.23 R300.1 | length 1.9
  Bottom w0.254: IC49.23@134.25,54.25 134.25,53.562 ccw(c134.762,53.562) 134.4,53.2 cw(c134.159,52.959) 134.5,52.959 R300.1@134.5,52.425
NetIC49_24: IC49.24 R300.2 R304.1 | length 3
  Bottom w0.254: R304.1@133.5,51.325 R300.2@133.5,52.425 133.5,52.948 cw(c133.927,52.948) 133.625,53.25 ccw(c133.323,53.552) 133.75,53.552 IC49.24@133.75,54.25
NetIC51_1: IC51.1 R326.1 R333.2 | length 3
  Bottom w0.254: R326.1@130.075,94.25 R333.2@131.175,94.25 131.709,94.25 ccw(c131.709,94.591) 131.95,94.35 cw(c132.312,93.988) 132.312,94.5 IC51.1@133,94.5
NetIC51_2: IC51.2 R333.1 | length 1.9
  Bottom w0.254: R333.1@131.175,95.25 131.698,95.25 cw(c131.698,94.823) 132,95.125 ccw(c132.302,95.427) 132.302,95 IC51.2@133,95
NetIC51_5: IC51.5 R338.1 | length 1.9
  Bottom w0.254: R338.1@131.175,96.25 131.698,96.25 ccw(c131.698,96.677) 132,96.375 cw(c132.302,96.073) 132.302,96.5 IC51.5@133,96.5
NetIC51_6: IC51.6 R338.2 R342.1 | length 3
  Bottom w0.254: R342.1@130.075,97.25 R338.2@131.175,97.25 131.709,97.25 cw(c131.709,96.909) 131.95,97.15 ccw(c132.312,97.512) 132.312,97 IC51.6@133,97
NetIC51_7: IC51.7 R337.1 R343.2 | length 3
  Bottom w0.254: R337.1@133.5,100.675 R343.2@133.5,99.575 133.5,99.052 ccw(c133.927,99.052) 133.625,98.75 cw(c133.323,98.448) 133.75,98.448 IC51.7@133.75,97.75
NetIC51_8: IC51.8 R343.1 | length 1.9
  Bottom w0.254: IC51.8@134.25,97.75 134.25,98.438 cw(c134.762,98.438) 134.4,98.8 ccw(c134.159,99.041) 134.5,99.041 R343.1@134.5,99.575
NetIC51_23: IC51.23 R328.1 | length 1.9
  Bottom w0.254: IC51.23@134.25,93.75 134.25,93.062 ccw(c134.762,93.062) 134.4,92.7 cw(c134.159,92.459) 134.5,92.459 R328.1@134.5,91.925
NetIC51_24: IC51.24 R328.2 R332.1 | length 3
  Bottom w0.254: R332.1@133.5,90.825 R328.2@133.5,91.925 133.5,92.448 cw(c133.927,92.448) 133.625,92.75 ccw(c133.323,93.052) 133.75,93.052 IC51.24@133.75,93.75
NetIC53_1: IC53.1 R354.1 R361.2 | length 3
  Bottom w0.254: R354.1@130.075,74.5 R361.2@131.175,74.5 131.709,74.5 ccw(c131.709,74.841) 131.95,74.6 cw(c132.312,74.238) 132.312,74.75 IC53.1@133,74.75
NetIC53_2: IC53.2 R361.1 | length 1.9
  Bottom w0.254: R361.1@131.175,75.5 131.698,75.5 cw(c131.698,75.073) 132,75.375 ccw(c132.302,75.677) 132.302,75.25 IC53.2@133,75.25